# Altium PCB Spektrop2_Processor_Board_V1.PcbDoc (part 1 of 5) (continued)
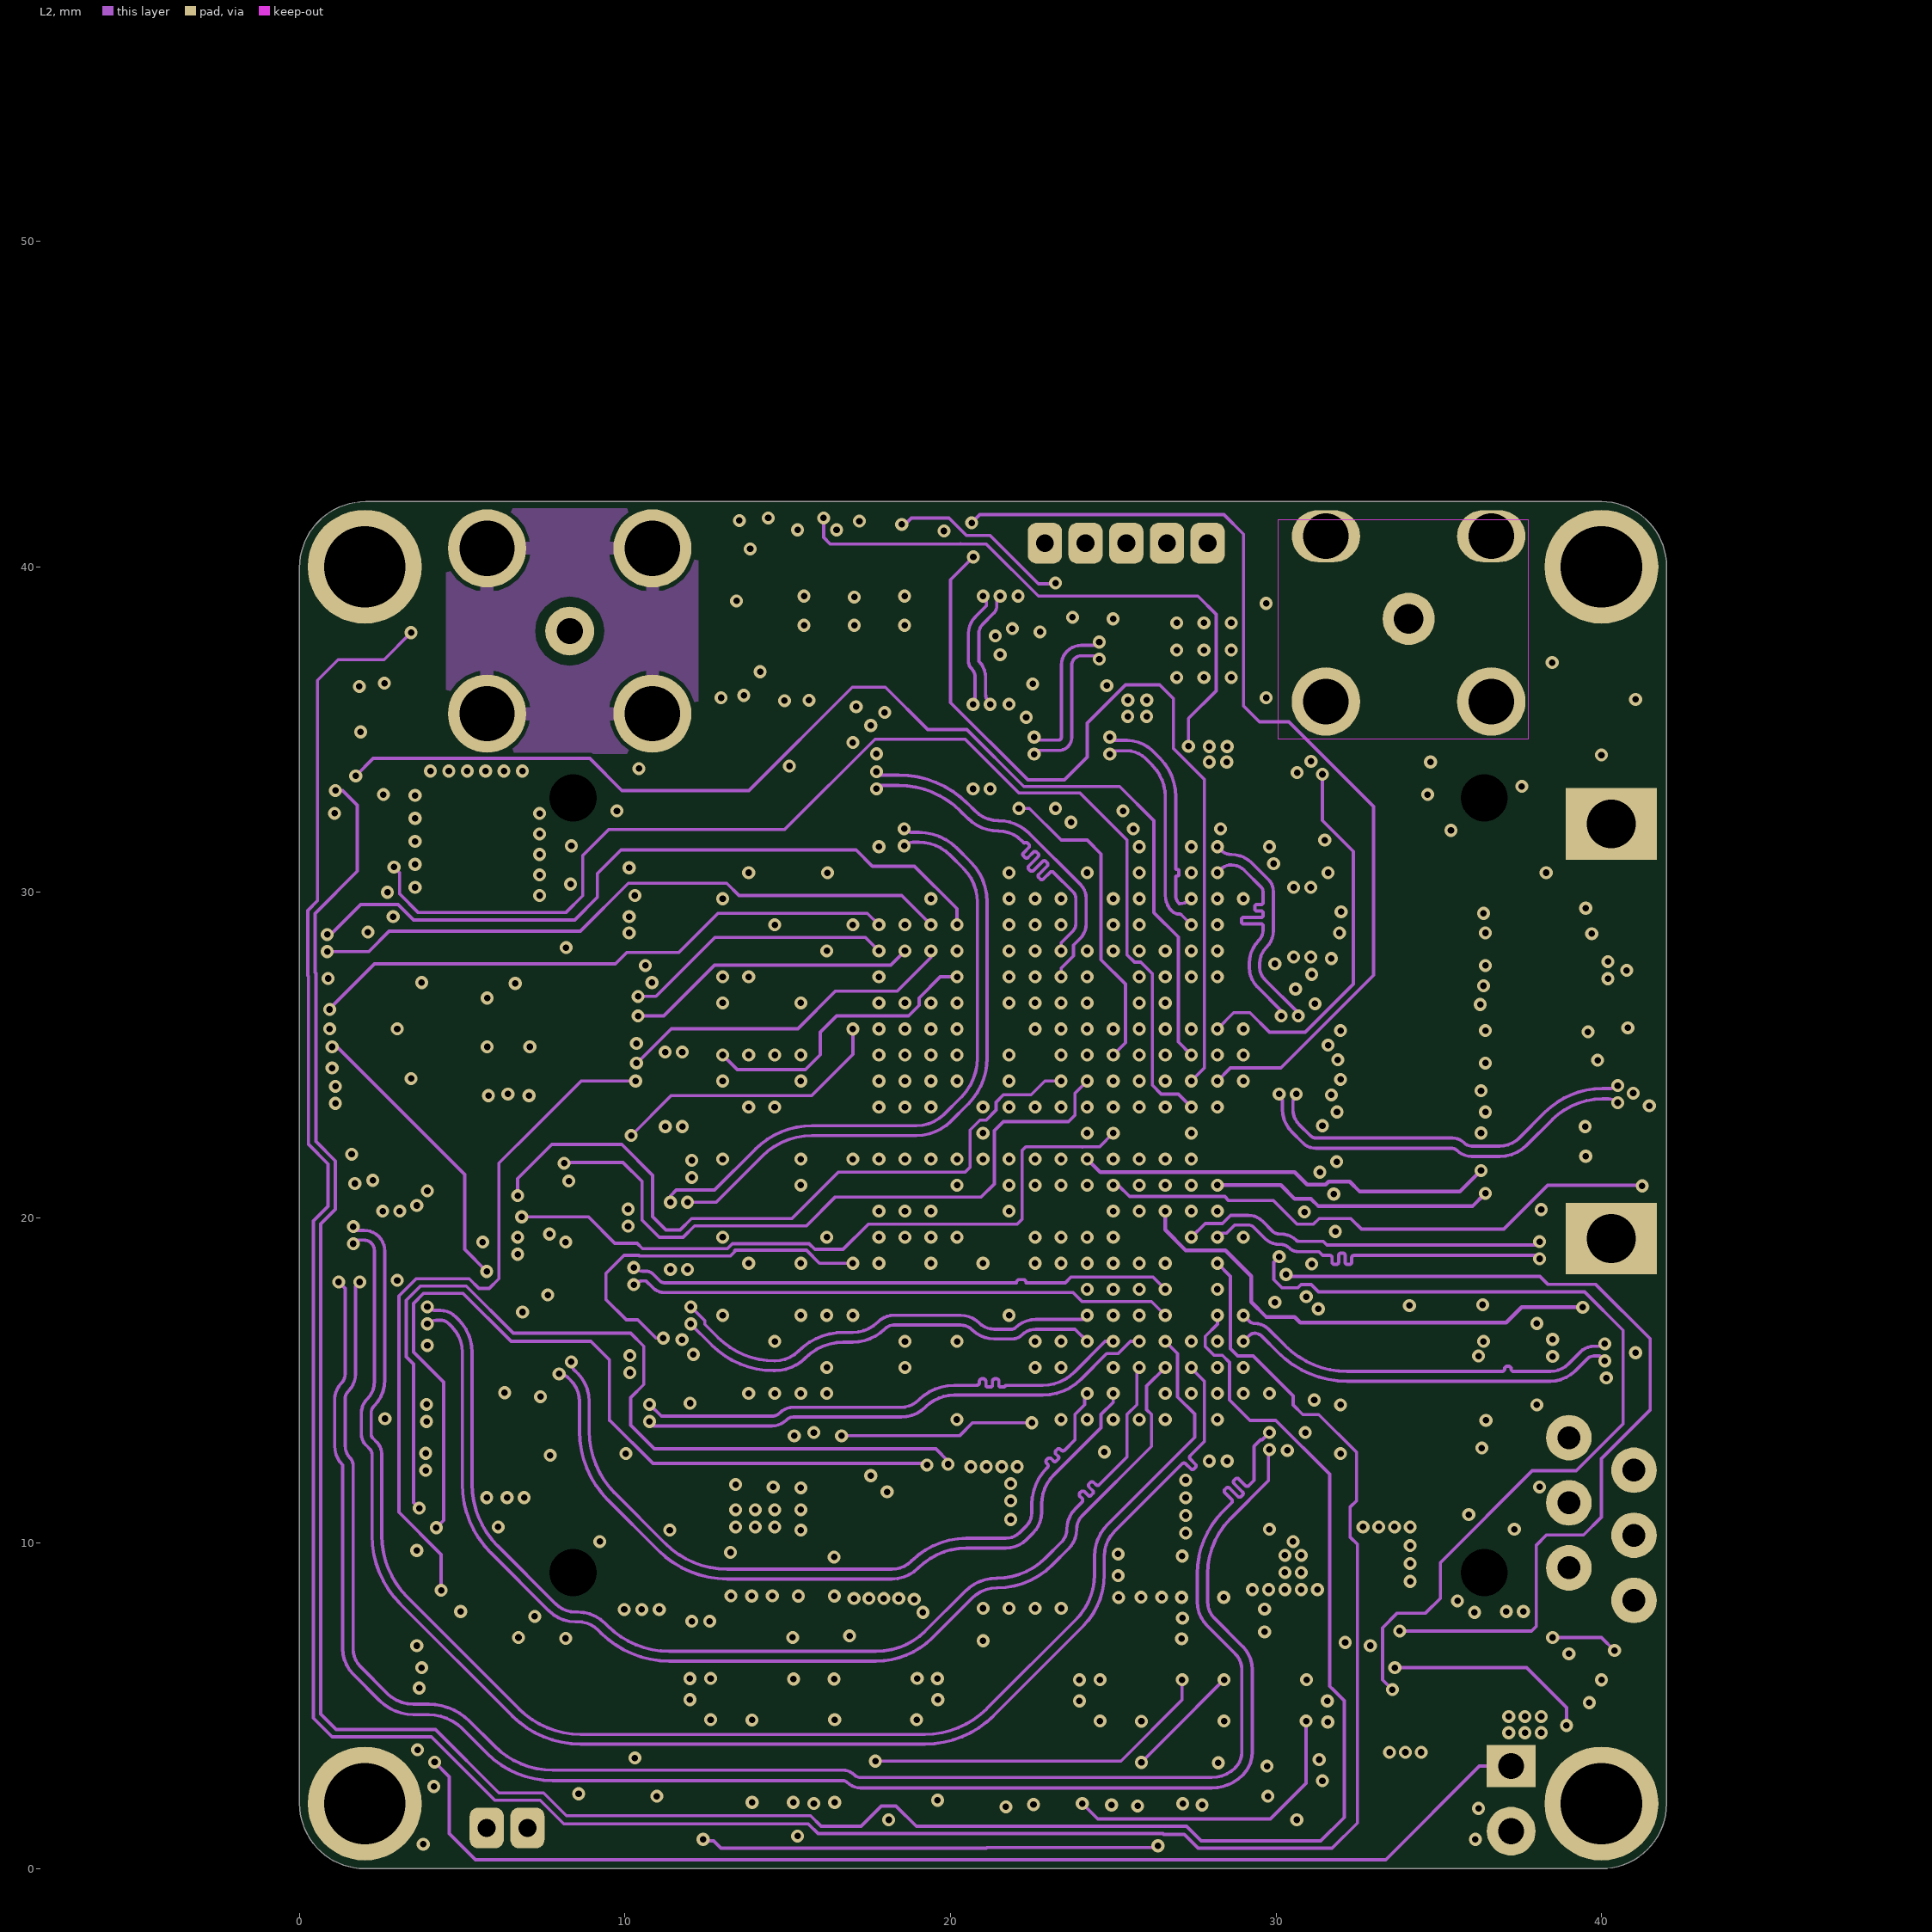
[diagram p3: L2]
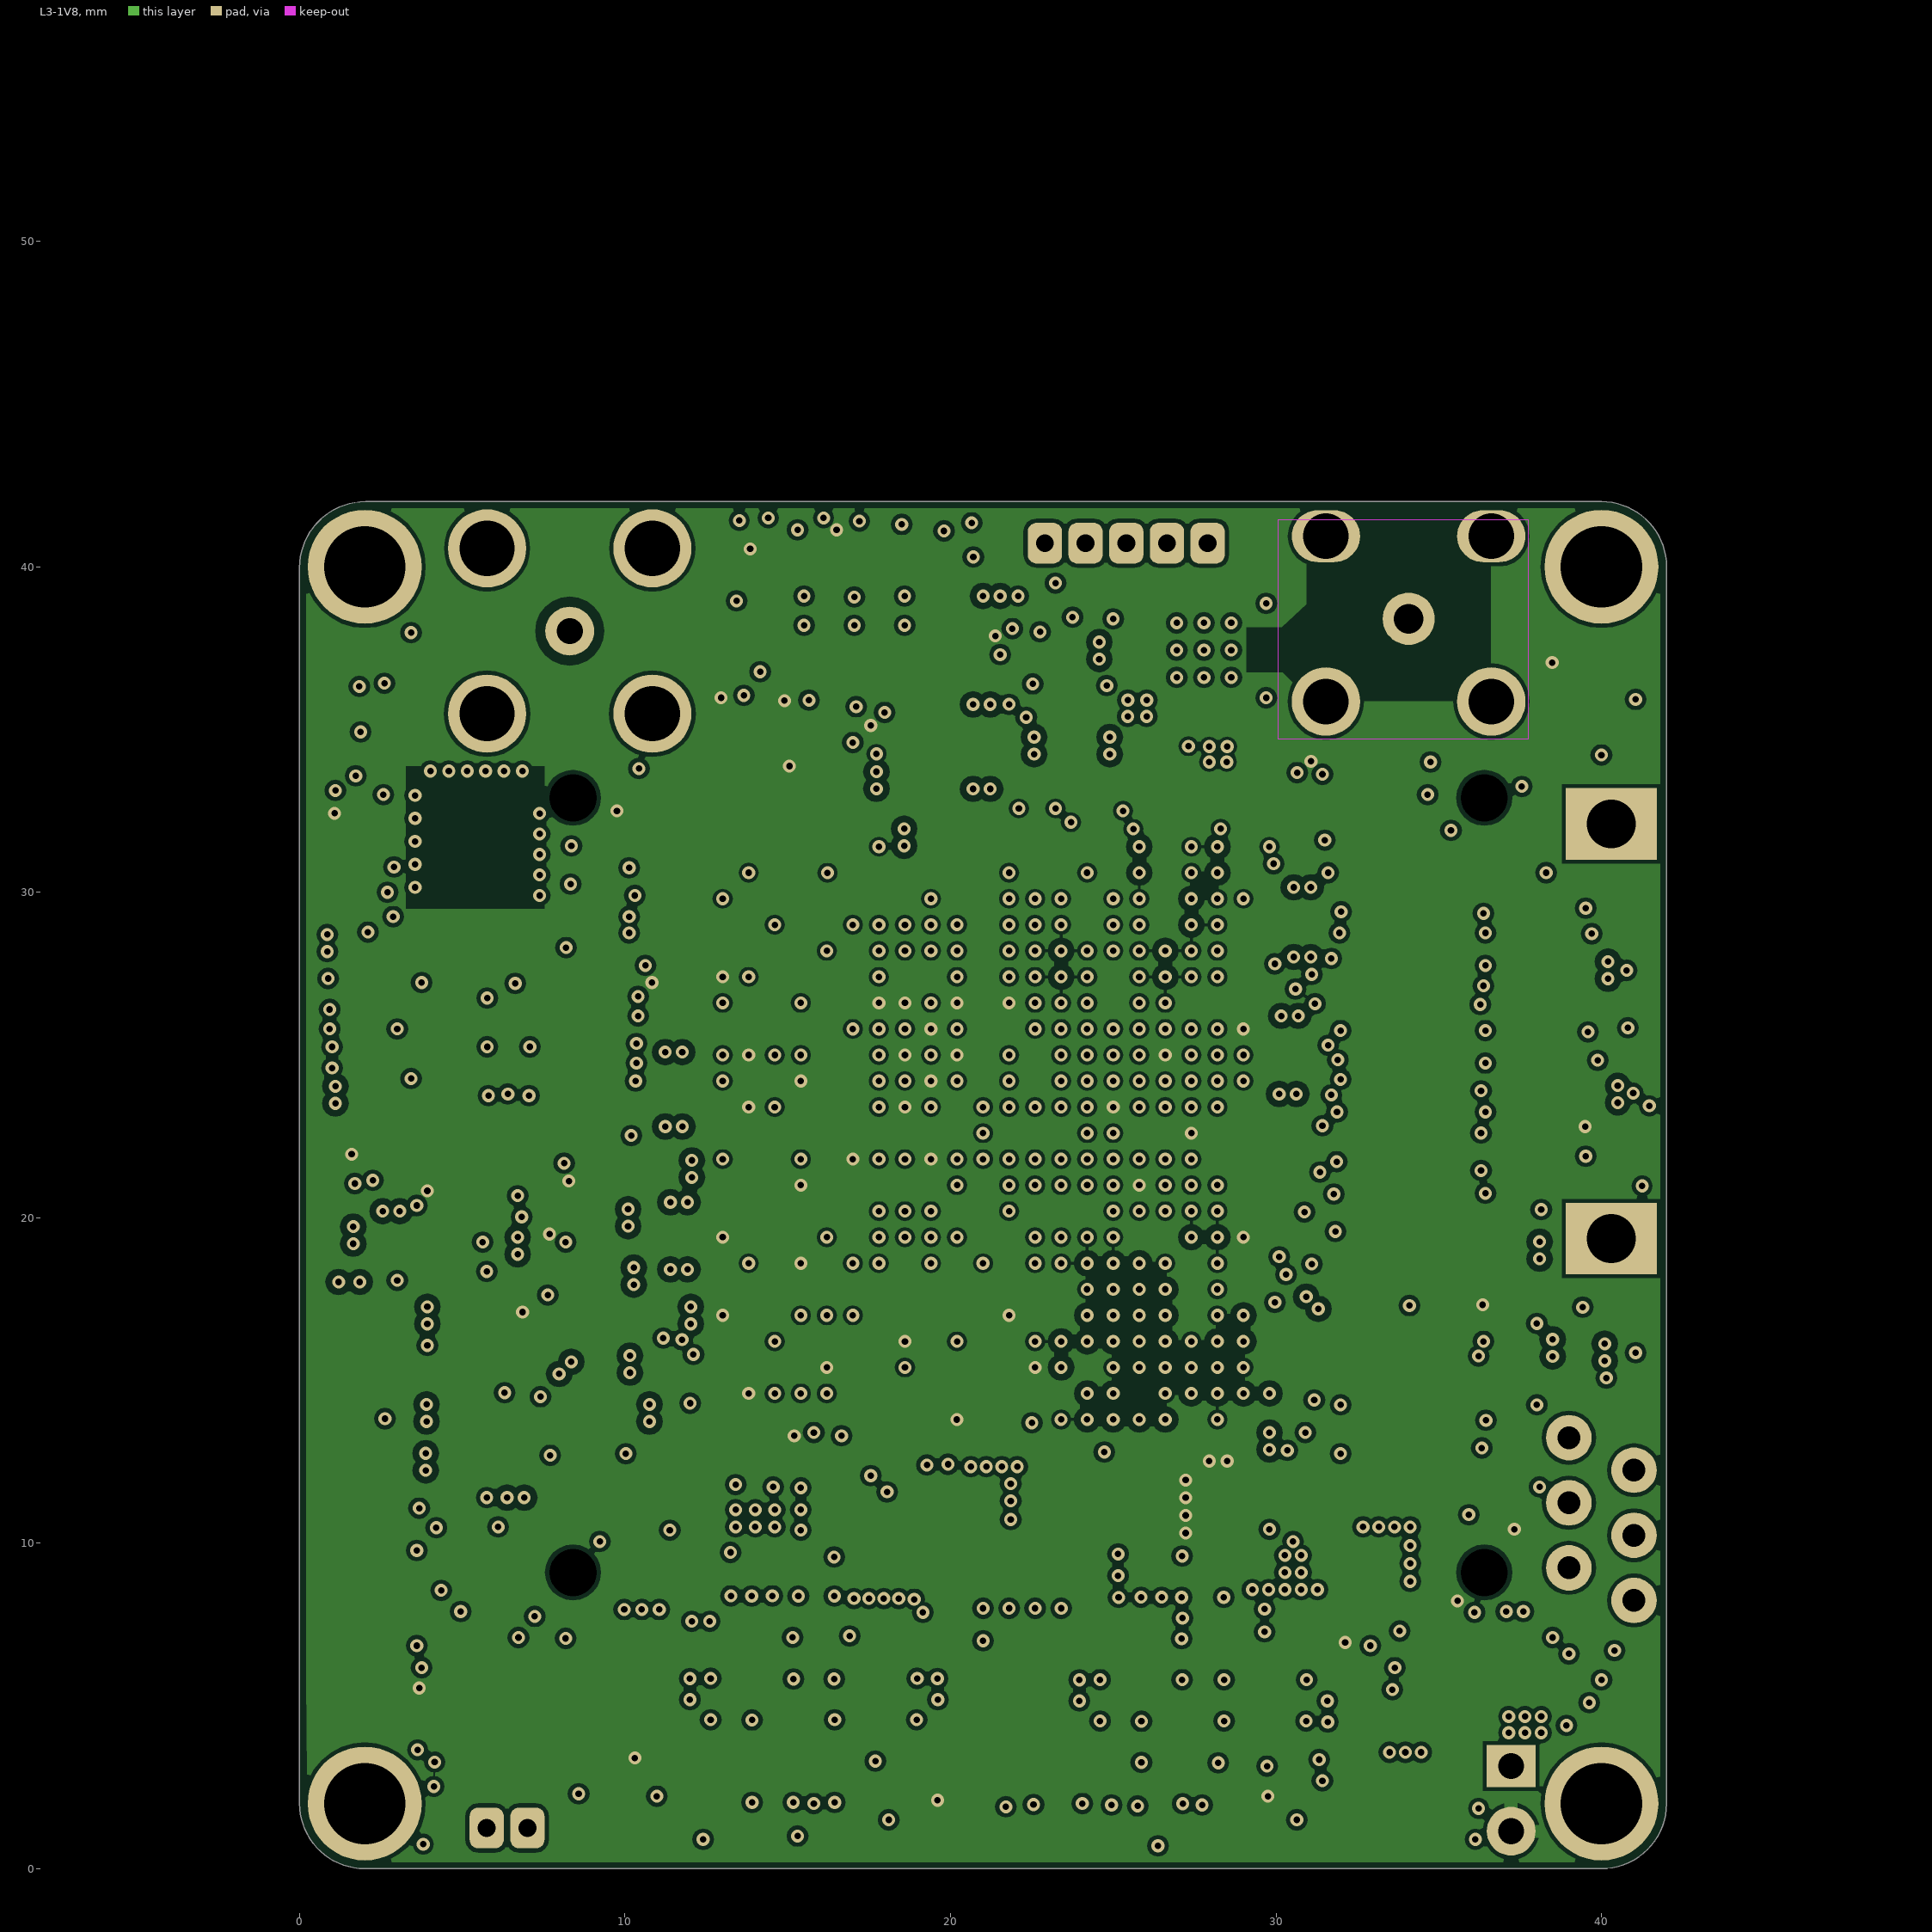
[diagram p4: L3-1V8]
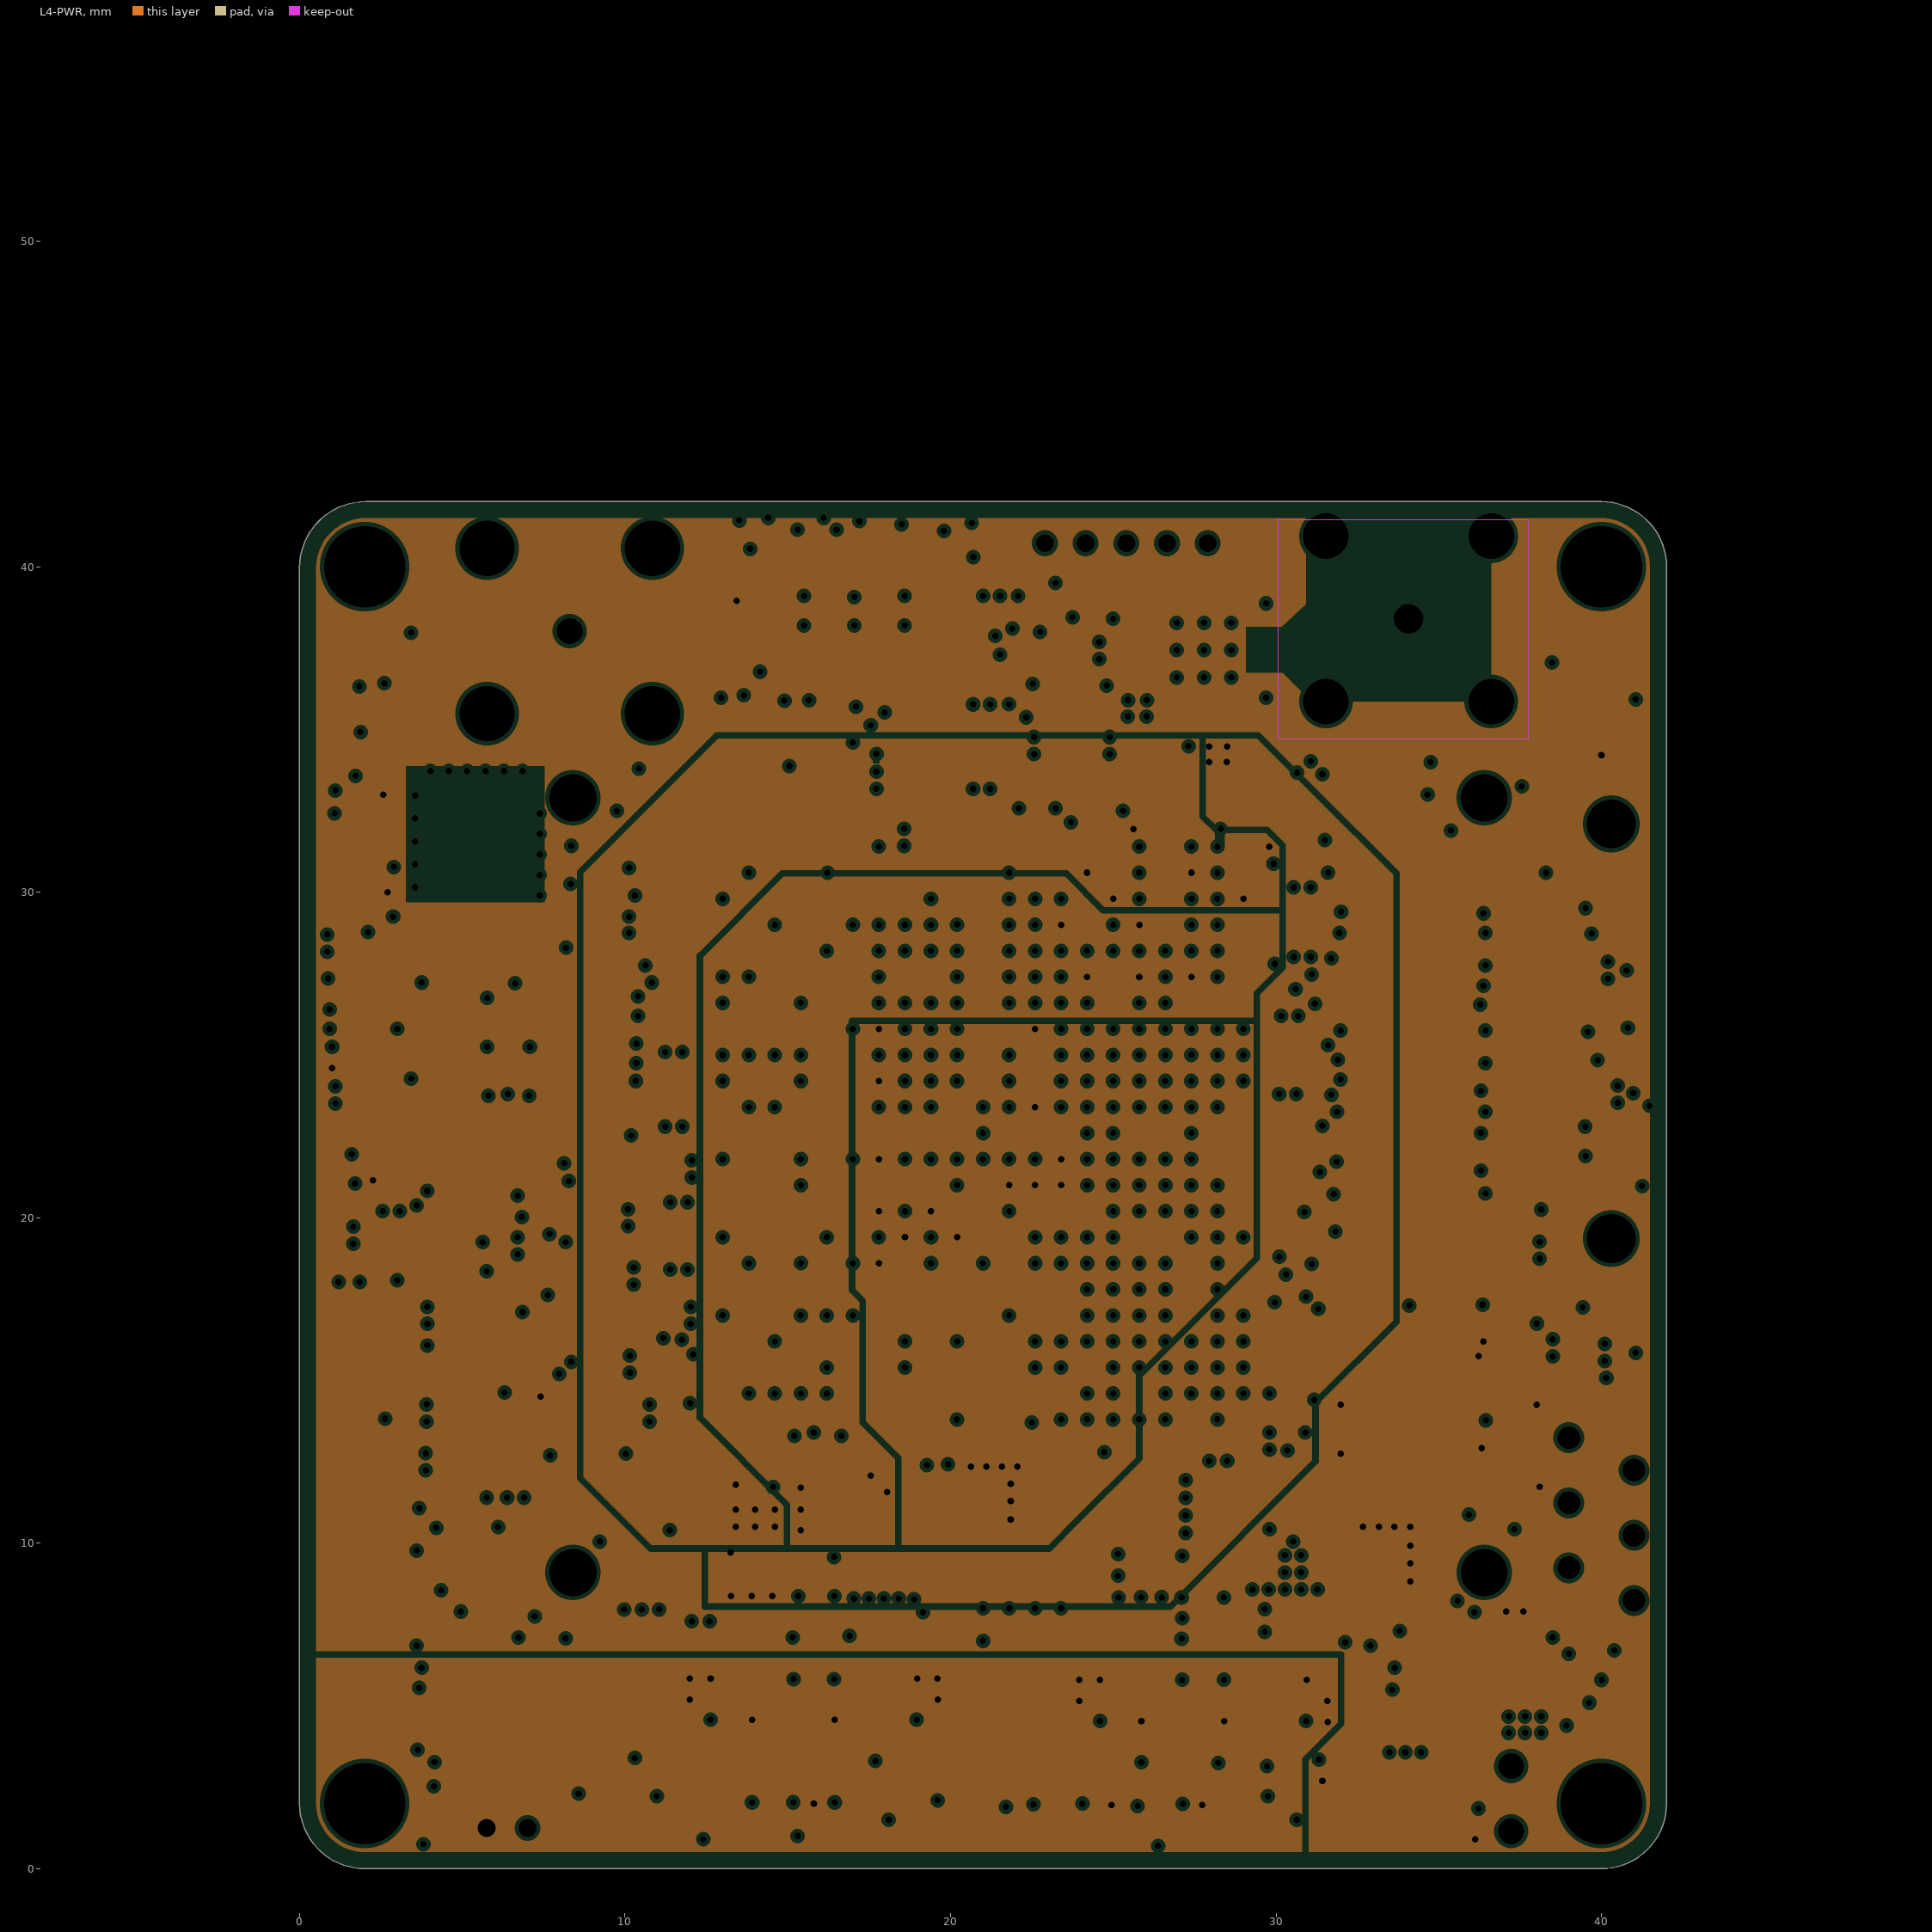
[diagram p5: L4-PWR, clearances drawn from the general rule]
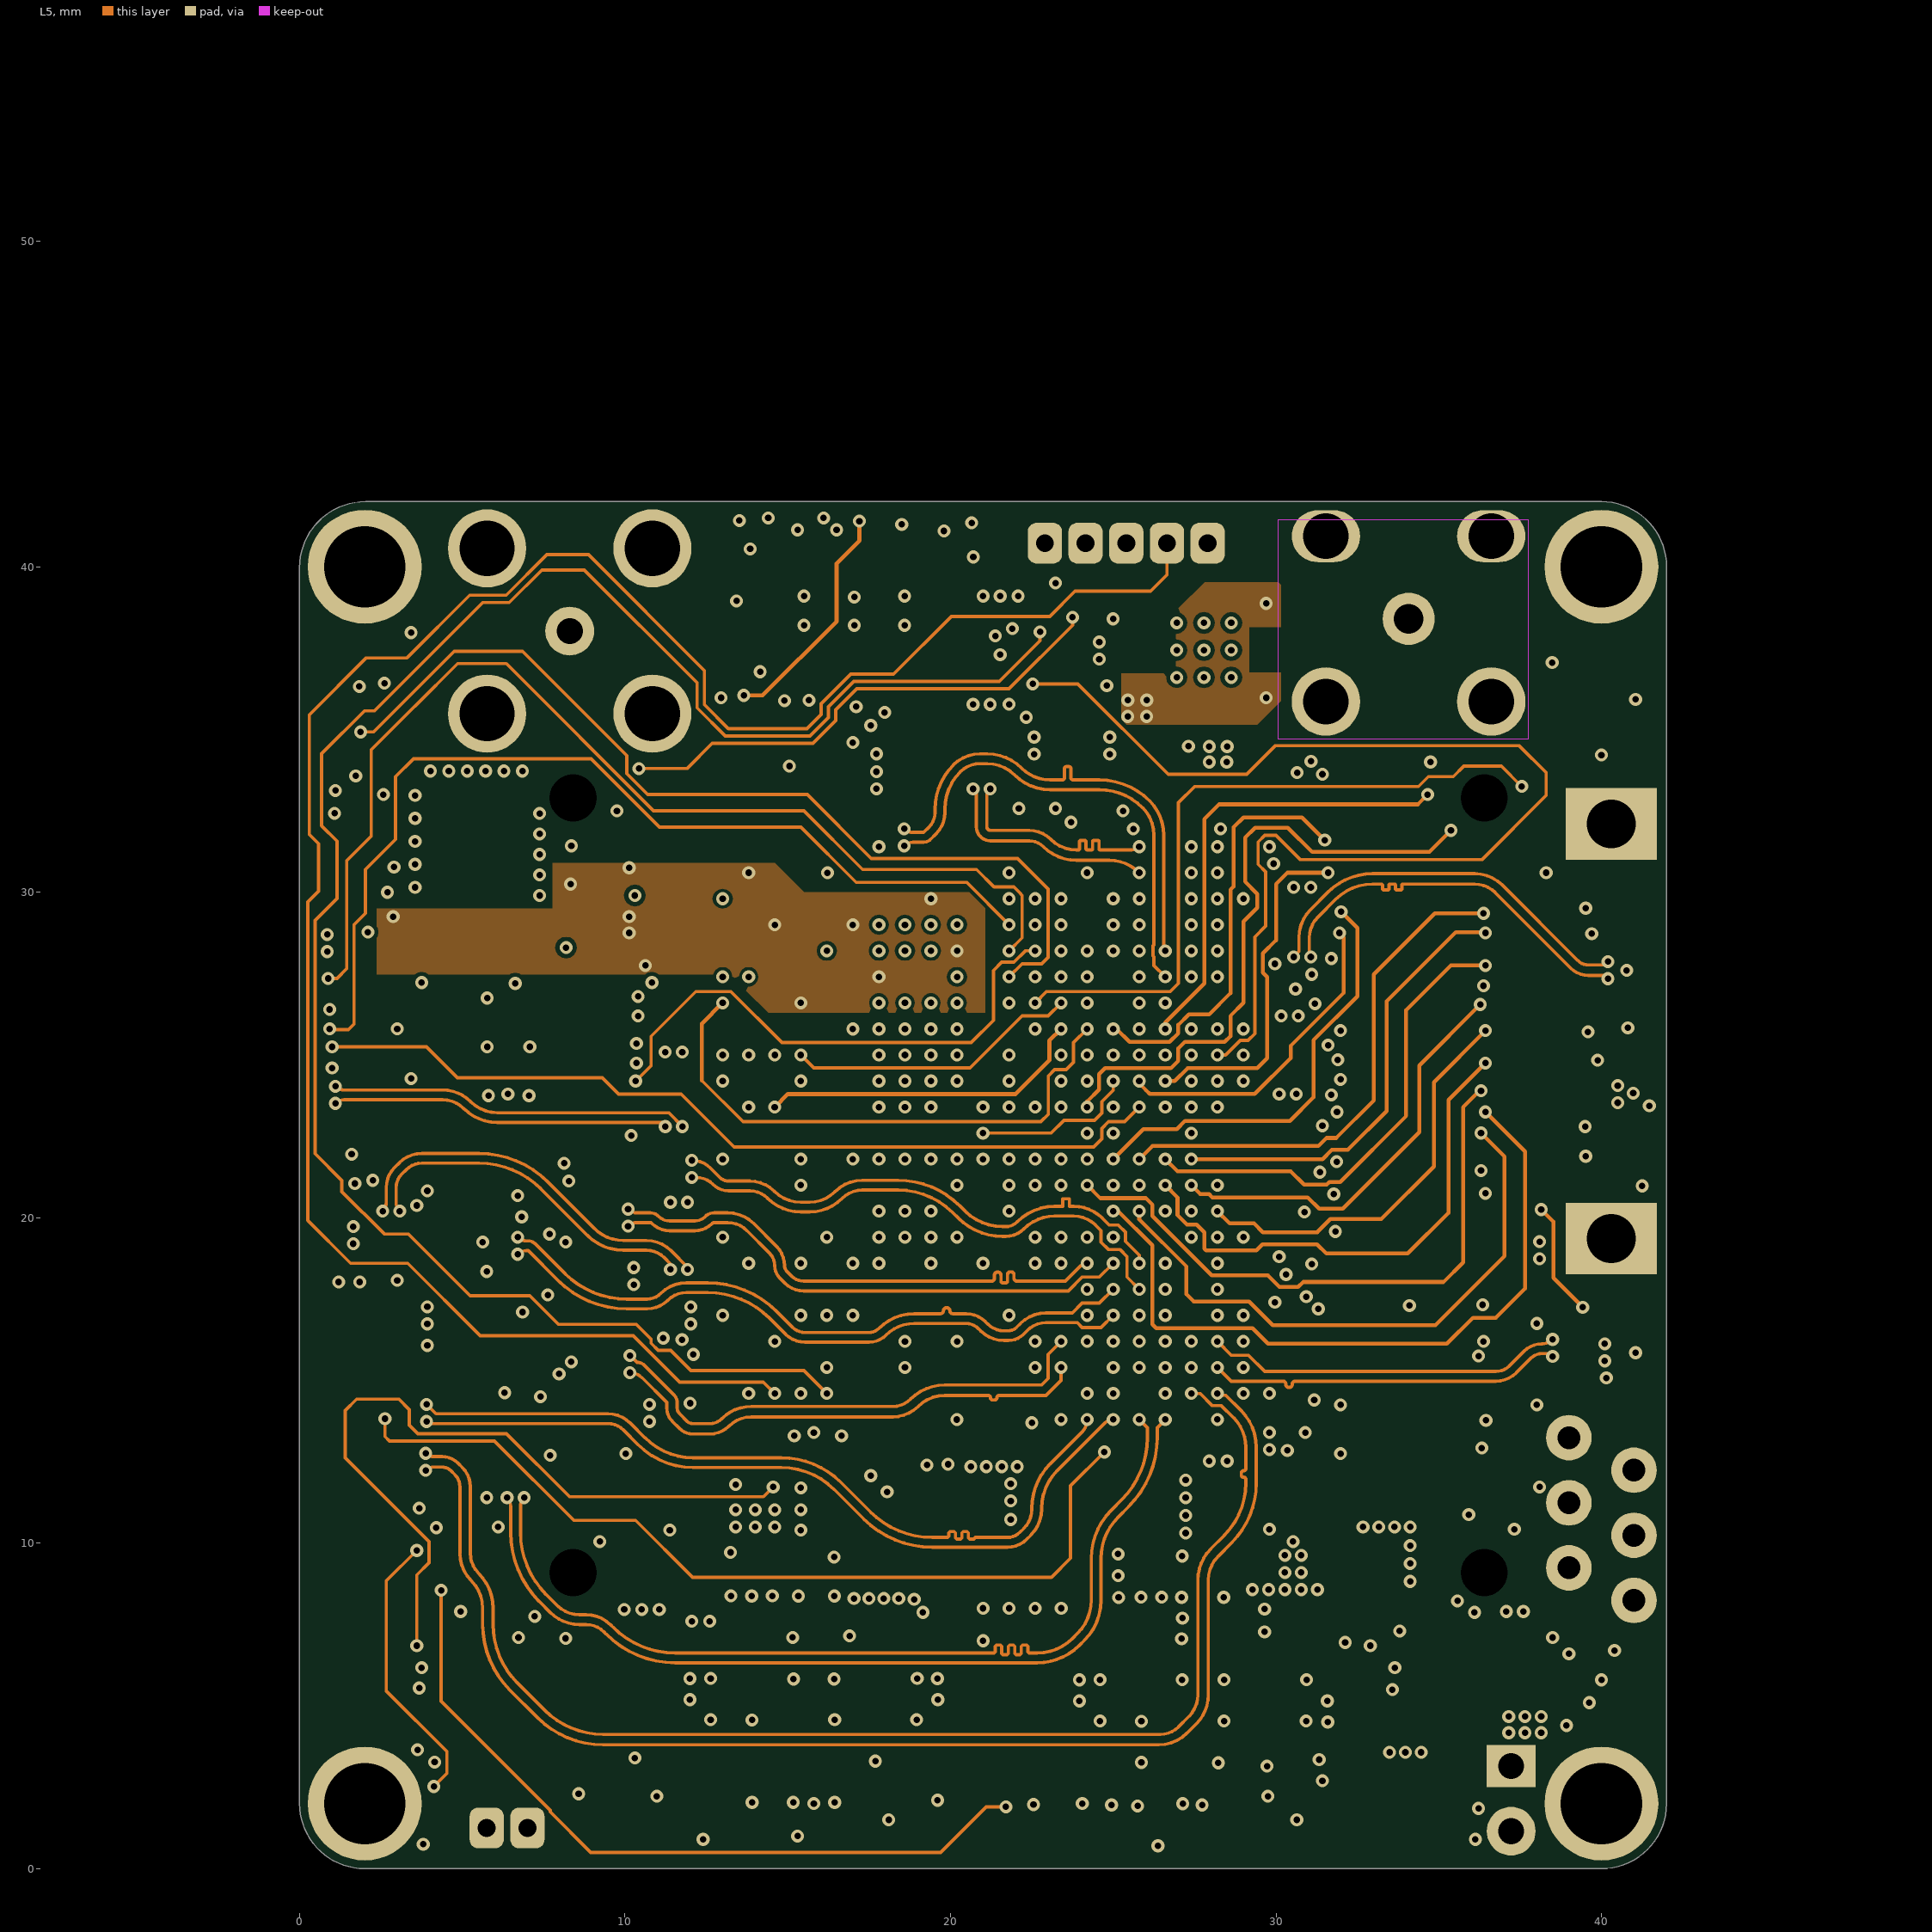
[diagram p6: L5]